# Altium PCB power-v3.6.PcbDoc (part 2 of 3)
Units mil, origin at the board's own origin, x right, y up, seen from the top; angles counter-clockwise.
Board outline 6141.36 x 3430.84 mil, 4 copper layers (Signal 1, Ground, Power, Signal 2), stack 60.469 mil thick; 253 components, 142 nets, 643 pads, 692 vias.
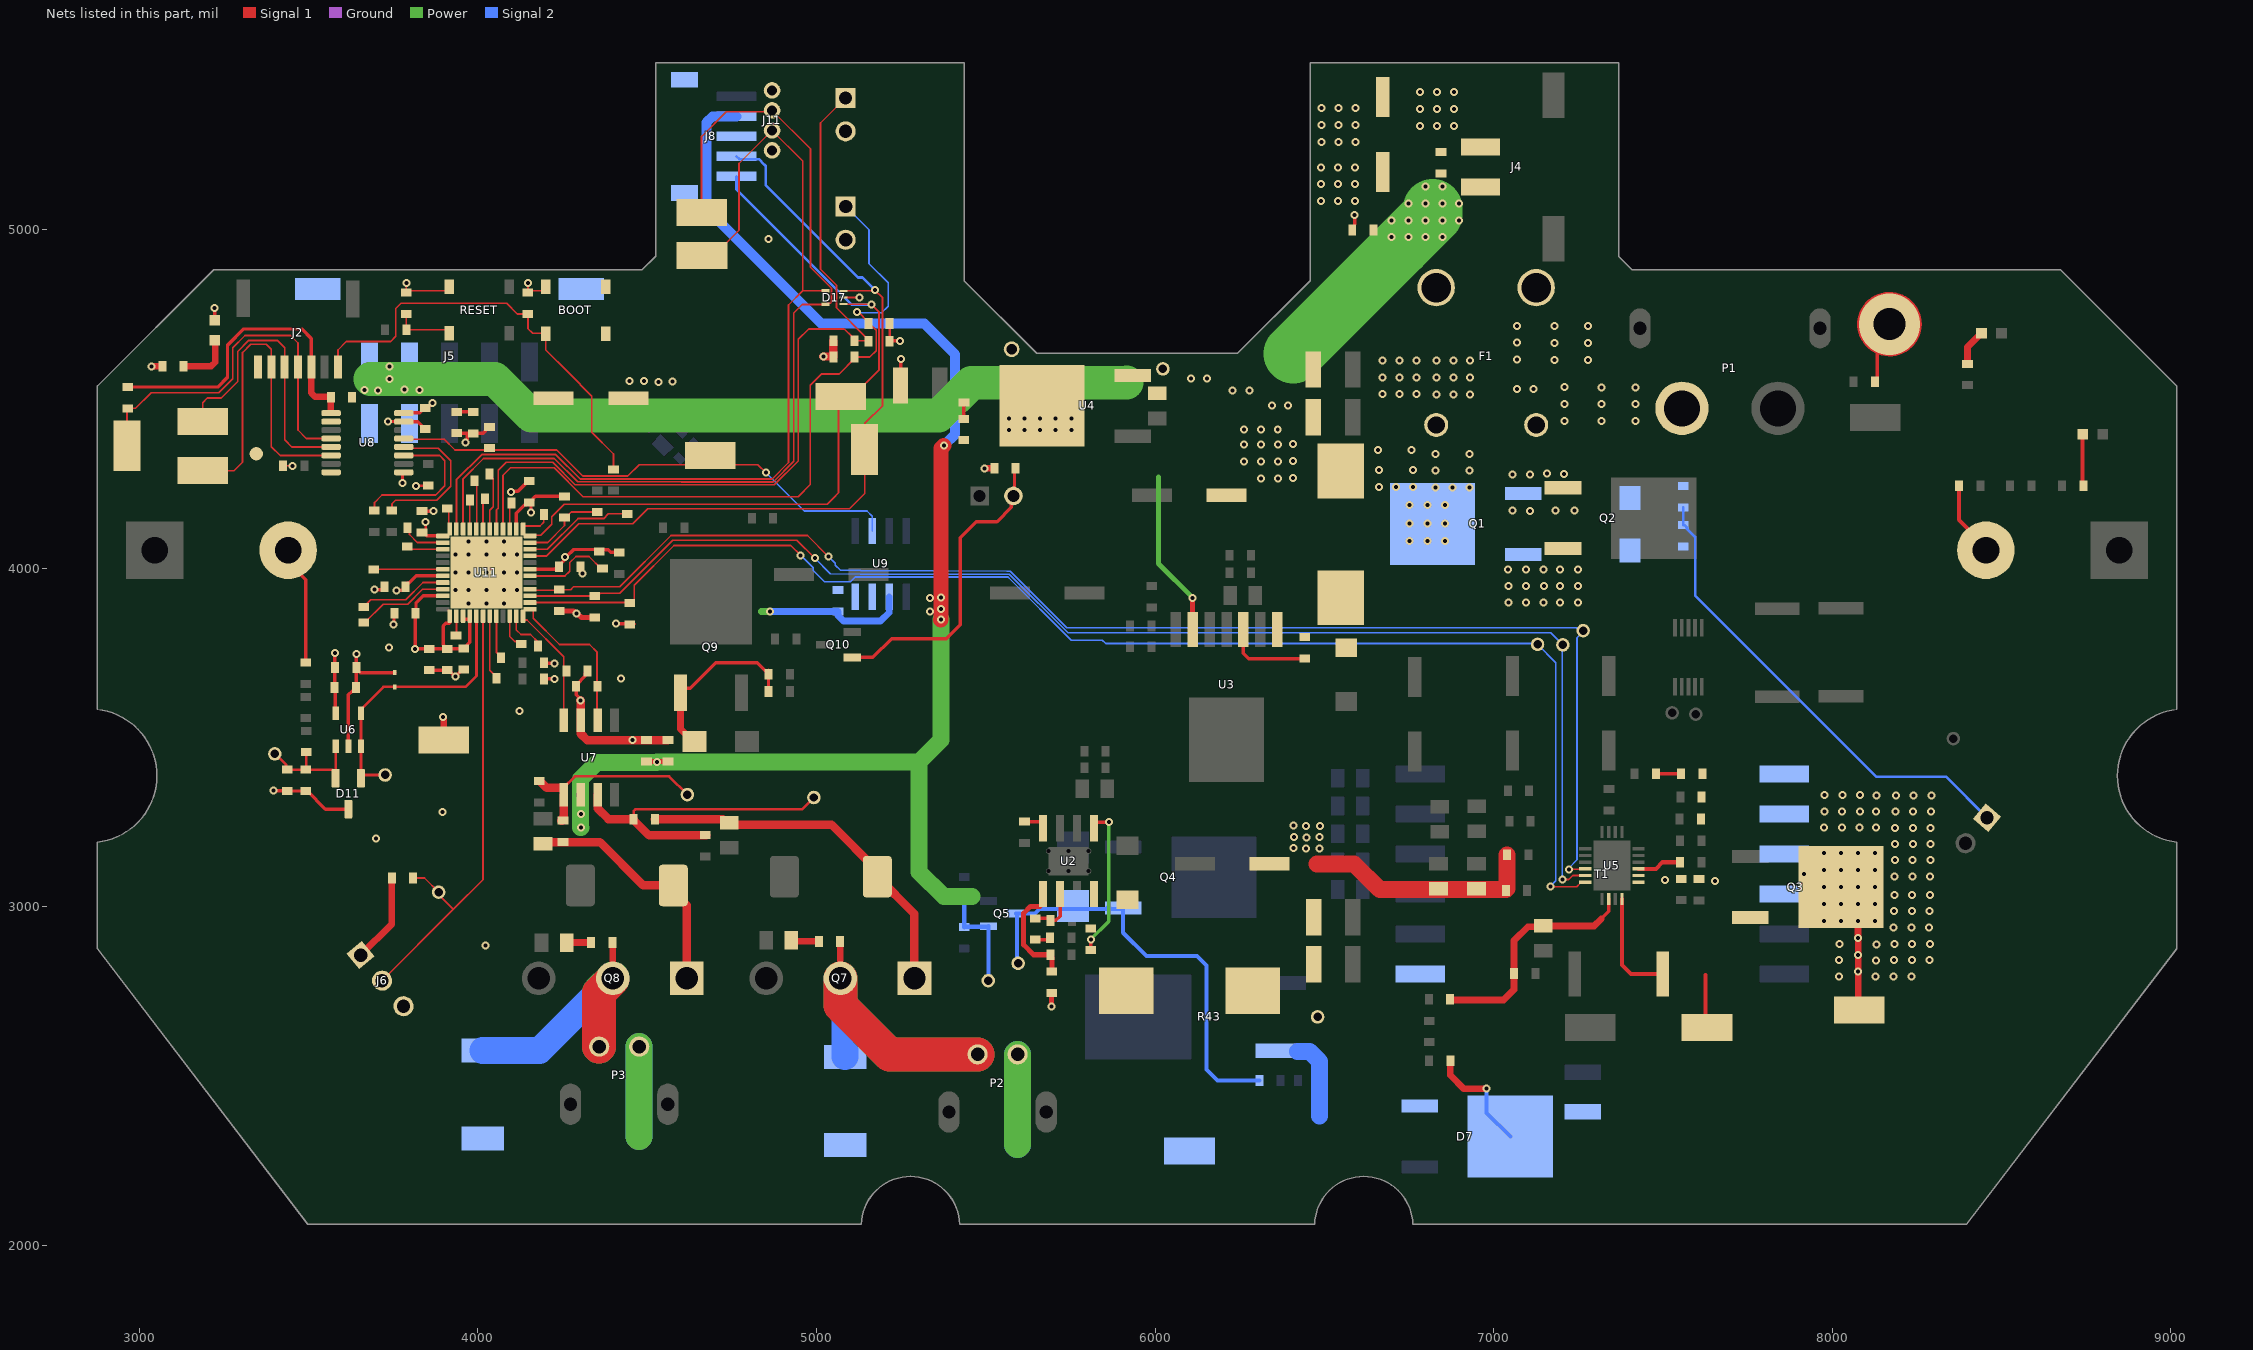
[diagram p4: the nets of this part, all layers, seen from the top]

## Part data (continued)
C8: library part "CAP 6.8pF 50V", "Default Symbol for Capacitors", Rating=50V, Temperature Coefficient=X7R, Tolerance=10%, Part Number="CAP 6.8pF 50V"
C10 C12 C68 C69: library part "CAP 22uF 25V  - 1210", "Default Symbol for Capacitors", Rating=25V, Tolerance=20%, Part Number="CAP 22uF 25V  - 1210"
C16 C34: library part "CAP 10uF 16V", "CAP CER 10UF 16V X5R 0603/0805", Operating Temperature="-55°C ~ 85°C", Package=0603/0805, Rating=16V, Temperature Coefficient=X5R, Tolerance=10%, Part Number="CAP 10uF 16V"
C18 C19 C20: library part "CAP POL 100uF SMD", "CAP ALUM 100UF 35V SMD", Operating Temperature="-40°C ~ 85°C", Package=RADIAL, Rating=35v, Temperature Coefficient=Unspecified, Tolerance=20%, ComponentLink1Description="Digikey Link", ComponentLink1URL=https://www.digikey.ca/product-detail/en/panasonic-electronic-components/ECA-1HM100I/P10425CT-ND/8603345, Dimensions="0.197\" Dia (5.00mm)", Part Number="CAP POL 100uF SMD"
C21 C30: library part "CAP 0.10uF 35V", "CAP CER 0.10UF 35V X7R 0805", Manufacturer Part Number 1=GMK107B7104KAHT, Manufacturer Part Number 2=GMK212BJ104KGHT, Operating Temperature="-55°C ~ 125°C", Package=0805, Rating=35V, Supplier Part Number 1=587-3354-1-ND, Temperature Coefficient=X7R, Tolerance=10%, Part Number="CAP 0.10uF 35V", Supplier 1=Digi-Key, Supplier 2=Digi-Key, Supplier Part Number 2=587-3364-1-ND
C22 C23: library part "CAP POL 1000uF", "United Chemi-Con / ESMQ251VSN102MQ45S", Capacitance=1mF, Dielectric Material=Aluminium, Manufacturer="United Chemi-Con", Manufacturer Part Number=ESMQ251VSN102MQ45S, Max Operating Temperature=85°C, Supplier Part Number 1=565-2754-ND, Tolerance=20%, Voltage=250V, Diameter=25.4mm, Height - Seated (Max)=45mm, Lead Diameter=2mm, Lead Pitch=10mm, Mount="Through Hole,PCB", Number of Pins=2, Part Number="CAP POL 1000uF", REACH SVHC="No SVHC", RoHS=Yes, Supplier 1=Digi-Key, Termination=Radial
C31: library part "CAP 2.2uF 35V", "CAP CER 2.2UF 35V X7R 0603/0805", Manufacturer Part Number 1=C1608X5R1V225K080AC, Manufacturer Part Number 2=CGA4J1X7R1V225K125AE, Operating Temperature="-55°C ~ 125°C", Package=0603/0805, Rating=35V, Supplier Part Number 1=445-8025-1-ND, Temperature Coefficient=X5R, Tolerance=10%, Part Number="CAP 2.2uF 35V", Supplier 1=Digi-Key, Supplier 2=Digi-Key, Supplier Part Number 2=445-8787-1-ND
C32: library part "CAP 0.10uF 630V", "CAP CER 0.1uF 630V X7R 1210", Operating Temperature="-55°C ~ 125°C", Package=1210, Rating=630V, Temperature Coefficient=X7R, Tolerance=10%, Part Number="CAP 0.10uF 630V"
C35 C40 C44 C45 C54 C55 C57: library part "CAP 0.10uF 16V", "CAP CER 0.10UF 16V X5R 0603", Operating Temperature="-55°C ~ 85°C", Package=0603/0805, Rating=16V, Temperature Coefficient=X5R, Tolerance=10%, Part Number="CAP 0.10uF 16V"
C36 C39 C60 C61 C62 C63 C64 C65 C66: library part "CAP 1.0uF 16V", "CAP CER 1.0UF 16V X5R 0603/0805", Operating Temperature="-55°C ~ 85°C", Package=0603/0805, Rating=16V, Temperature Coefficient=X5R, Tolerance=10%, Part Number="CAP 1.0uF 16V"
C37 C38: library part "CAP 0.010uF 16V", "CAP CER 0.010UF 16V X5R 0603", Operating Temperature="-55°C ~ 85°C", Package=0603/0805, Rating=16V, Temperature Coefficient=X5R, Tolerance=10%, Part Number="CAP 0.010uF 16V"
C43: library part "CAP 0.10uF 35V 0603", "CAP CER 0.10UF 35V X7R 0603", Manufacturer Part Number 1=GMK107BJ104KAHT, Operating Temperature="-55°C ~ 125°C", Package=0805, Rating=35V, Supplier Part Number 1=587-3357-1-ND, Temperature Coefficient=X5R, Tolerance=10%, Part Number="CAP 0.10uF 35V 0603", Supplier 1=Digi-Key
C46 C47 C49 C50 C51 C52 C53: library part "CAP 0.10uF 25V", "CAP CER 0.10UF 25V X7R 0603", Operating Temperature="-55°C ~ 125°C", Rating=25V, Temperature Coefficient=X7R, Tolerance=10%, Part Number="CAP 0.10uF 25V"
C58: library part "CAP 0.10uF 35V", "CAP CER 0.10UF 35V X7R 0603", Manufacturer Part Number 1=GMK107B7104KAHT, Manufacturer Part Number 2=GMK212BJ104KGHT, Operating Temperature="-55°C ~ 125°C", Package=0603/0805, Rating=35V, Supplier Part Number 1=587-3354-1-ND, Temperature Coefficient=X7R, Tolerance=10%, Part Number="CAP 0.10uF 35V", Supplier 1=Digi-Key, Supplier 2=Digi-Key, Supplier Part Number 2=587-3364-1-ND
C59: library part "CAP 4.7uF 35V", "CAP CER 4.7UF 35V X7R 0603/0805", Operating Temperature="-55°C ~ 125°C", Package=0603/0805, Rating=35V, Temperature Coefficient=X7R, Tolerance=10%, Part Number="CAP 4.7uF 35V"
C73 C74: library part "CAP 1500pF 500V - 0805", "Default Symbol for Capacitors", Rating=500V, Temperature Coefficient=X7R, Part Number="CAP 1500pF 500V - 0805"
D1 D16: library part "DIODE ZENER 12V 1W", "Zener Diode 12 V 1 W ±5% Surface Mount SMA", Mfr_Name="Diodes Inc", Supplier Part Number 1=SMAZ12-FDICT-ND, Copyright="Copyright (C) 2021 Ultra Librarian. All rights reserved.", Digi-Key_Part_Number_1=SMAZ12-FDICT-ND, Digi-Key_Part_Number_2=SMAZ12-FDIDKR-ND, Digi-Key_Part_Number_3=SMAZ12-FDITR-ND, Manufacturer Part Number 1=SMAZ12-13-F, Manufacturer_Part_Number=SMAZ12-13-F, Part Number="DIODE ZENER 12V 1W", RefDes=RefDes, Supplier 1=Digi-Key, Supplier 2=Newark, Supplier 3=Digi-Key, Supplier Part Number 2=23T8541, Supplier Part Number 3=SMAZ12-FDICT-ND, Supplier URL 1=https://www.digikey.com/en/products/detail/SMAZ12-13-F/SMAZ12-FDICT-ND/725073?curr=usd&utm_campaign=buynow&utm_medium=aggregator&utm_source=octopart, Type=DEV
D2 D4: library part "DIODE SCHOTTKY 40V 5A SS54 SMA", "SS54", Part Number="DIODE SCHOTTKY 40V 5A SS54 SMA"
D3 D5: library part "LED GREEN SMD 0603", "LED Uni-Color Green 574nm 2-Pin Chip LED T/R", Current Rating=20mA, Manufacturer Part Number 1=LTST-C190KGKT, Supplier Part Number 1=160-1435-1-ND, Voltage Rating - DC=2V, Part Number="LED GREEN SMD 0603", Pin Count=2, Supplier 1=Digi-Key, Supplier URL 1=https://www.digikey.ca/en/products/detail/lite-on-inc/LTST-C190KGKT/386815?s=N4IgTCBcDaIIwDYAMBaOAWAzAVjSgcgCIgC6AvkA
D7: "Diode Switching 600V 5A DPAK", Digikey=VS-5EWH06FN-M3-ND, Digikey Link=https://www.digikey.ca/en/products/detail/vishay-semiconductor-diodes-division/VS-5EWH06FN-M3/4934509, MF="Vishay Diodes", Part Number=VS-5EWH06FN-M3, Pin Count=2
D8: library part "LED RED SMD 0603", "0603 red led alingap 631nm-639nm water clear 18-180mcd 130d", Current Rating=20mA, Manufacturer Part Number 1=LTST-C190KRKT, Supplier Part Number 1=160-1436-1-ND, Voltage Rating - DC=2V, Part Number="LED RED SMD 0603", Pin Count=2, Supplier 1=Digi-Key, Supplier URL 1=https://www.digikey.ca/en/products/detail/lite-on-inc/LTST-C190KRKT/386817?s=N4IgTCBcDaIIwDYAMBaOAWAzAtKByAIiALoC%2BQA
D9: library part "DIODE ZENER 15V 3W", "Diode ZENER 15V 3W", Supplier Part Number 1=3SMBJ5929BTPMSCT-ND, Part Number="DIODE ZENER 15V 3W", Pin Count=2, Supplier 1=Digi-Key
D10: library part "DIODE ZENER 3.3 200mW", "Zener Diode 3.3 V 200 mW ±5% Surface Mount SOD-923", Mfr_Name="ON Semiconductor", Supplier Part Number 1=NZ9F3V3T5GOSCT-ND, Copyright="Copyright (C) 2021 Ultra Librarian. All rights reserved.", Digi-Key_Part_Number_1=NZ9F3V3T5GOSTR-ND, Digi-Key_Part_Number_2=NZ9F3V3T5GOSCT-ND, Digi-Key_Part_Number_3=NZ9F3V3T5GOSDKR-ND, Manufacturer Part Number 1=NZ9F3V3T5G, Manufacturer_Part_Number=NZ9F3V3T5G, Part Number="DIODE ZENER 3.3 200mW", RefDes=RefDes, Supplier 1=Digi-Key, Supplier URL 1=https://www.digikey.com/en/products/detail/onsemi/NZ9F3V3T5G/1961325, Type=DEV
D11: library part "DIODE TVS 3.3VR 3.5VBR", "3.3V Reverese Standoff, 3.5V Breakdown, 12.5V Clamp 40A (8/20µs) Ipp Tvs Diode SMD SOT-23", Supplier Part Number 1=353-SM3.3H-TPCT-ND, ComponentLink1Description="Octopart Link", ComponentLink1URL=https://octopart.com/search?q=SM3.3H-TP&currency=USD&specs=0, Manufacturer Part Number 1=SM3.3H-TP, Part Number="DIODE TVS 3.3VR 3.5VBR", Supplier 1=Digi-Key, Supplier URL 1=https://www.digikey.com/en/products/detail/micro-commercial-co/SM3-3H-TP/12177181
D12 D14: library part "DIODE FAST 600V 8A", "Diode Standard 600 V 8A Surface Mount SMC", Supplier Part Number 1=1740-MUR860JCT-ND, ComponentLink1Description="Octopart Link", ComponentLink1URL=https://octopart.com/search?q=MUR860J&currency=USD&specs=0, Manufacturer Part Number 1=MUR860J, Part Number="DIODE FAST 600V 8A", Supplier 1=Digi-Key, Supplier URL 1=https://www.digikey.com/en/products/detail/ween-semiconductors/MUR860J/11630078
D13 D15: library part "DIODE TVS 14VR 15.6VBR", "23.2V Clamp 64.7A Ipp Tvs Diode Surface Mount DO-214AB (SMC), VR = 14V, VBR = 15.6V", Package=None, Supplier Part Number 1=SMCJ14ALFCT-ND, Availability=Unavailable, Manufacturer Part Number 1=SMCJ14A, MP=SMCJ14A, Part Number="DIODE TVS 14VR 15.6VBR", Price=None, Supplier 1=Digi-Key, Supplier 2=Mouser, Supplier Part Number 2=652-SMCJ14A, Supplier URL 1=https://www.digikey.com/en/products/detail/littelfuse-inc/SMCJ14A/762380
D17: library part "DIODE TVS 3.5 VWM 4 Channel", "- Clamp - Ipp Tvs Diode Surface Mount ESV 4 Channel", Manufacturer Part Number 1=DF5A5.6CJE,LM, Manufacturer_Part_Number=df5a5.6cje(te85l, Mfr_Name="Toshiba Electronic Devices & Storage Co.", Supplier Part Number 1=DF5A5.6CJE,LMCT-ND, Copyright="Copyright (C) 2021 Ultra Librarian. All rights reserved.", Digi-Key_Part_Number_1=DF5A5.6CJE(TE85LF)TR-ND, Digi-Key_Part_Number_2=DF5A5.6CJE(TE85LF)CT-ND, Digi-Key_Part_Number_3=DF5A5.6CJE(TE85LF)DKR-ND, Part Number="DIODE TVS 3.5 VWM 4 Channel", RefDes=RefDes, Supplier 1=Digi-Key, Supplier URL 1=https://www.digikey.com/en/products/detail/toshiba-semiconductor-and-storage/DF5A5-6CJE-LM/4305072, Type=DEV
F1: library part "FUSE BLADE", "Fuse Block 30A 500V 1 Circuit Blade Through Hole", Package="Nonstandard Keystone", Supplier Part Number 1=36-3557-2-ND, MF="Keystone Electronics", MP=3557-2, Part Number="FUSE BLADE", Pin Count=4, Price=None, SnapEDA_Link=https://www.snapeda.com/parts/3557-2/Keystone%20Electronics/view-part/278060/?ref=snap, Supplier 1=Digi-Key
J1 J9 J10: "Connector Header Through Hole 2 position right angle 0.098 _2.50mm_ / JST XH", Package=None, MF="JST Sales", MP=B2B-XH-A_LF__SN_, Part Number="CN HDR 2POS JST XH RA", Pin Count=2, Price=None, SnapEDA_Link=https://www.snapeda.com/parts/B2B-XH-A%28LF%29%28SN%29/JST%20Sales%20America%20Inc./view-part/492310/?ref=snap
J2: library part "CN 7POS JST NSH SMT RA", "Connector Header Surface Mount, Right Angle 7 position 0.039\" (1.00mm)", Package=None, Supplier Part Number 1=455-2771-1-ND, Availability=Unavailable, Check_prices=https://www.snapeda.com/parts/SM12B-NSHSS-TB%20(LF)(SN)/JST%20Sales%20America%20Inc./view-part/5255521/?ref=eda, MF="JST Sales America Inc.", MP="SM12B-NSHSS-TB (LF)(SN)", Part Number="CN 7POS JST NSH SMT RA", Pin Count=7, Price=None, SnapEDA_Link=https://www.snapeda.com/parts/SM12B-NSHSS-TB%20(LF)(SN)/JST%20Sales%20America%20Inc./view-part/5255521/?ref=snap, Supplier 1=Digi-Key, Supplier 2=Digi-Key, Supplier 3=Digi-Key, Supplier 4=Digi-Key, Supplier Part Number 2=455-2771-1-ND, Supplier Part Number 3=455-2771-6-ND, Supplier Part Number 4=455-2771-2-ND, Supplier URL 1=https://www.digikey.ca/en/products/detail/jst-sales-america-inc/SM07B-NSHSS-TB-LF-SN/3313637
J4: library part "CN HDR 2POS Molex 0436500214", "Connector Header Surface Mount, Right Angle 2 position 0.118\" (3.00mm)", Manufacturer_Name=Molex, Manufacturer_Part_Number=43650-0214, Supplier Part Number 1=WM14310CT-ND, Datasheet Link=http://www.molex.com/webdocs/datasheets/pdf/en-us//0436500214_PCB_HEADERS.pdf, Manufacturer Part Number 1=0436500214, Part Number="CN HDR 2POS Molex 0436500214", Supplier 1=Digi-Key, Supplier 2=Newark, Supplier 3="Arrow Electronics", Supplier 4=Mouser, Supplier Part Number 2=39AH6218, Supplier Part Number 3=43650-0214, Supplier Part Number 4=538-43650-0214, Supplier URL 1=https://www.digikey.com/en/products/detail/molex/0436500214/3310534
J5: library part "CN HDR 10POS MOLEX 430451010", "Connector Header Surface Mount, Right Angle 10 position 0.118\" (3.00mm)", Mfr_Name="Molex Connector Corporation", Supplier Part Number 1=WM3819CT-ND, Copyright="Copyright (C) 2021 Ultra Librarian. All rights reserved.", Digi-Key_Part_Number_1=WM3819TR-ND, Digi-Key_Part_Number_2=WM3819CT-ND, Digi-Key_Part_Number_3=WM3819DKR-ND, Manufacturer Part Number 1=430451010, Manufacturer_Part_Number=430451010, Part Number="CN HDR 10POS MOLEX 430451010", RefDes=RefDes, Supplier 1=Digi-Key, Supplier 2=Newark, Supplier 3=Mouser, Supplier Part Number 2=03AH4054, Supplier Part Number 3=538-43045-1010, Supplier URL 1=https://www.digikey.com/en/products/detail/molex/0430451010/2421710?s=N4IgTCBcDaICwGYAMcCsBGJmQF0C%2BQA, Type=DEV
J6: library part "CN HDR 3POS JST XH RA", "Connector Header Through Hole Right Angle 3 position 0.098 (2.50mm)", Manufacturer Part Number 1=S3B-XH-A-1(LF)(SN), Package=None, Supplier Part Number 1=455-2954-ND, Availability="In Stock", Check_prices=https://www.snapeda.com/parts/B3B-XH-A(LF)(SN)/JST%20Sales%20America%20Inc./view-part/231271/?ref=eda, MF="JST Sales", MP=B3B-XH-A(LF)(SN), Part Number="CN HDR 3POS JST XH RA", Pin Count=3, Price=None, SnapEDA_Link=https://www.snapeda.com/parts/B3B-XH-A(LF)(SN)/JST%20Sales%20America%20Inc./view-part/231271/?ref=snap, Supplier 1=Digi-Key, Supplier URL 1=https://www.digikey.ca/en/products/detail/jst-sales-america-inc/S3B-XH-A-1-LF-SN/1556255
J8: library part "CN 5POS JST ZR RA", "Connector Header Surface Mount, Right Angle 5 position 0.059\" (1.50mm)", Manufacturer Part Number 1=S5B-ZR-SM4A-TF, Supplier Part Number 1=455-1696-1-ND, Part Number="CN 5POS JST ZR RA", Pin Count=5, Supplier 1=Digi-Key, Supplier URL 1=https://www.digikey.ca/en/products/detail/jst-sales-america-inc/S5B-ZR-SM4A-TF-LF-SN/926603?s=N4IgTCBcDaICwFYEFoCMA2AnOtyByAIiALoC%2BQA
J11: library part "CN HDR 4POS JST ZR", "Connector Header Through Hole, Right Angle 4 position 0.059\" (1.50mm)", Mfr_Name=JST, Supplier Part Number 1=455-1671-ND, Copyright="Copyright (C) 2021 Ultra Librarian. All rights reserved.", Digi-Key_Part_Number_1=455-1671-ND, Manufacturer Part Number 1=S4B-ZR(LF)(SN), Manufacturer_Part_Number=S4B-ZR(LF)(SN), Part Number="CN HDR 4POS JST ZR", RefDes=RefDes, Supplier 1=Digi-Key, Supplier URL 1=https://www.digikey.com/en/products/detail/jst-sales-america-inc/S4B-ZR-LF-SN/926578, Type=DEV
J13: "2 Pin Jumper Male Pins and Cap", Package=None, Supplier Part Number 1=A105225-ND, Availability=Unavailable, ComponentLink1Description=JumperPins, ComponentLink1URL=https://www.digikey.ca/en/products/detail/te-connectivity-amp-connectors/5-146252-1/2275768#, ComponentLink2Description=JumperCap, ComponentLink2URL=https://www.digikey.ca/en/products/detail/samtec-inc/SNT-100-BK-G/1756763, Manufacturer Part Number 1=5-146252-1, MP=5-146252-1, Part Number=5-146252-1, Price=None, Supplier 1=Digi-Key, Supplier URL 1=https://www.digikey.com/en/products/detail/te-connectivity-amp-connectors/5-146252-1/2275768
JGND: library part TP_1MM, Part Number=TP_1MM
L1: library part "IND 22UH 4.5A 1040/1045", "Standard inductor symbol", Part Number="IND 22UH 4.5A 1040/1045"
L2: library part "IND 10UH 6.8A 1040/1045", "Standard inductor symbol", Part Number="IND 10UH 6.8A 1040/1045"
P1: library part "XT60 Connector", "XT60 CONNECTORS FEMALE PAIR", Supplier Part Number 1=1568-1816-ND, Digikey=1568-1816-ND, Digikey Link=https://www.digikey.ca/product-detail/en/sparkfun-electronics/PRT-10474/1568-1816-ND/8258064, MF="SparkFun Electronics", MP=PRT-10474, Package=XT60, Part Number="XT60 Connector", Pin Count=2, Price="2.13000 CAD", Supplier 1=Digi-Key, Supplier URL 1=https://www.digikey.ca/product-detail/en/sparkfun-electronics/PRT-10474/1568-1816-ND/8258064
P2 P3: library part "CN MOLEX 4365002XX", "MOLEX MICROFIT 2CKT RIGHT THRU", Package=Microfit, Digikey=WM17581-ND, Digikey Link=https://www.digikey.com/en/products/detail/molex/0436500205/3310532?s=N4IgTCBcDaICwGYBsBWADGsaUgLoF8g, MF=MOLEX, MP=4365002XX, Part Number="CN MOLEX 4365002XX", Pin Count=2, Price="1.44 CAD", Supplier 1=Digi-Key, Supplier URL 1=https://www.digikey.com/en/products/detail/molex/0436500205/3310532?s=N4IgTCBcDaICwGYBsBWADGsaUgLoF8g
Q1 Q2 Q9: library part "MOSFET IPD85P04P4-07", "P-Channel 40 V 85A (Tc) 88W (Tc) Surface Mount PG-TO252-3-313", Supplier Part Number 1=448-IPD85P04P407ATMA1CT-ND, Part Number="MOSFET IPD85P04P4-07", Supplier 1=Digi-Key, Supplier 2=Mouser, Supplier 3=Digi-Key, Supplier Part Number 2=726-IPD85P04P4-07, Supplier Part Number 3=448-IPD85P04P407ATMA1CT-ND, Supplier URL 1=https://www.digikey.ca/en/products/detail/infineon-technologies/IPD85P04P407ATMA1/5960266
Q3: library part "MOSFET N-CH IXFY36N20X3", "N-Channel 200 V 36A (Tc) 176W (Tc) Surface Mount TO-252AA", Supplier Part Number 1=IXFY36N20X3-ND, Manufacturer Part Number 1=IXFY36N20X3, Part Number="MOSFET N-CH IXFY36N20X3", Supplier 1=Digi-Key, Supplier URL 1=https://www.digikey.com/en/products/detail/ixys/IXFY36N20X3/7902311
Q5 Q10: library part "MOSFET N-CH TN2130K1-G", "N-Channel 300 V 85mA (Tj) 360mW (Tc) Surface Mount TO-236AB (SOT23)", Mfr_Name=Microchip, Supplier Part Number 1=TN2130K1-GCT-ND, Copyright="Copyright (C) 2021 Ultra Librarian. All rights reserved.", Digi-Key_Part_Number_1=TN2130K1-GCT-ND, Digi-Key_Part_Number_2=TN2130K1-GDKR-ND, Digi-Key_Part_Number_3=TN2130K1-GTR-ND, Manufacturer Part Number 1=TN2130K1-G, Manufacturer_Part_Number=TN2130K1-G, Part Number="MOSFET N-CH TN2130K1-G", RefDes=RefDes, Supplier 1=Digi-Key, Supplier URL 1=https://www.digikey.com/en/products/detail/microchip-technology/TN2130K1-G/4902939, Type=DEV
Q7 Q8: "IGBT Field Stop 600V 150A 750W Through Hole PowerTO-247-3", Package="TO-247 Fairchild Semiconductor", Supplier Part Number 1=FGY75N60SMDFS-ND, MF="ON Semiconductor", MP=FGY75N60SMD, Part Number=FGY75N60SMD, Supplier 1=Digi-Key
R1 R2 R26 R28 R31 R33 R46: library part "RES 100k 1/8W - 1%", "RES SMD 100K OHM 1% 1/8W 0603", Manufacturer Part Number 1=ERJ-H3GJ104V, Package=0805, Power (Watts)=0.125W, Supplier Part Number 1=10-ERJ-H3GJ104VCT-ND, Tolerance=1%, Part Number="RES 100k 1/8W - 1%", Supplier 1=Digi-Key, Supplier URL 1=https://www.digikey.ca/en/products/detail/panasonic-electronic-components/ERJ-H3GJ104V/13877854?s=N4IgTCBcDaIIwAYC0BRASgKSQCQMwHENEAWANQGEAVJAOQBEQBdAXyA
R3 R42 R44: library part "RES 5.1M 1/8W-5%", "RES SMD 5.1 MOHM 5% 1/8W 0603", Package=0805, Power (Watts)=0.125W, Tolerance=5%, Part Number="RES 5.1M 1/8W-5%"
R4: library part "RES 0 JUMPER", "RES SMD 0 OHM JUMPER GENERIC 0603", Package=0805, Tolerance=N/A, Part Number="RES 0 JUMPER"
R5 R6 R16 R17 R69 R72 R73 R74: library part "RES 4.7k 1/8W - 5%", "RES SMD 4.7k OHM 5% 1/8W 0603", Manufacturer Part Number 1=RMCF0603JT4K70, Package=0805, Power (Watts)=0.125W, Supplier Part Number 1=RMCF0603JT4K70CT-ND, Tolerance=5%, Part Number="RES 4.7k 1/8W - 5%", Supplier 1=Digi-Key, Supplier URL 1=https://www.digikey.ca/en/products/detail/stackpole-electronics-inc/RMCF0603JT4K70/1757976
R7 R8: library part "RES 2m 1W", "RES SMD 2m OHM 1% 1W 2512", Package=1206, Power (Watts)=1W, Tolerance=1%, Part Number="RES 2m 1W"
R9: library part "RES 14k 1/8W", "Default Resistor Symbol", Package=0805, Power (Watts)=0.125W, Tolerance=5%, Part Number="RES 14k 1/8W"
R10 R59 R60: library part "RES 1k 1/8W", "RES SMD 1K OHM 1% 1/8W 0603", Manufacturer Part Number 1=MCT06030C1001FP500, Package=0805, Power (Watts)=0.125W, Supplier Part Number 1=MCT0603-1.00K-CFCT-ND, Tolerance=1%, Part Number="RES 1k 1/8W", Supplier 1=Digi-Key, Supplier URL 1=https://www.digikey.ca/en/products/detail/vishay-beyschlag-draloric-bc-components/MCT06030C1001FP500/2607821?s=N4IgTCBcDaILIGEAqAGAbCgzAWgIwDoUUBpbBAMWWwDkAREAXQF8g
R11 R13: library part "RES 75k 1/8W", "Default Resistor Symbol", Package=0805, Power (Watts)=0.125W, Tolerance=5%, Part Number="RES 75k 1/8W"
R12: library part "RES 470k 1/8W", "Default Resistor Symbol", Package=0805, Power (Watts)=0.125W, Tolerance=5%, Part Number="RES 470k 1/8W"
R14 R25 R27 R29 R34 R35 R56: library part "RES 100k 1/8W - 5%", "RES SMD 100K OHM 5% 1/8W 0603", Package=0805, Power (Watts)=0.125W, Tolerance=5%, Part Number="RES 100k 1/8W - 5%"
R15: library part "RES 1.0 1/8W", "Default Resistor Symbol", Package=0805, Power (Watts)=0.125W, Tolerance=5%, Part Number="RES 1.0 1/8W"
R18 R36 R57 R61 R70: library part "RES 10k 1/8W - 5%", "RES SMD 10K OHM 5% 1/8W 0603", Package=0805, Power (Watts)=0.125W, Tolerance=5%, Part Number="RES 10k 1/8W - 5%"
R19 R51 R53: library part "RES 110.0 1/8W - 1%", "RES SMD 110 OHM 1% 1/8W 0603", Manufacturer Part Number 1=RMCF0603FT110R, Package=0603, Power (Watts)=0.125W, Supplier Part Number 1=RMCF0603FT110RCT-ND, Tolerance=1%, Part Number="RES 110.0 1/8W - 1%", Supplier 1=Digi-Key, Supplier URL 1=https://www.digikey.ca/en/products/detail/stackpole-electronics-inc/RMCF0603FT110R/1761268
R20: library part "RES 1.96k 1/8W", "RES SMD 1.96K OHM 1% 1/8W 0603", Manufacturer Part Number 1=RC0603FR-071K96L, Package=0805, Power (Watts)=0.125W, Supplier Part Number 1=311-1.96KHRCT-ND, Tolerance=1%, Part Number="RES 1.96k 1/8W", Supplier 1=Digi-Key, Supplier URL 1=https://www.digikey.ca/en/products/detail/yageo/RC0603FR-071K96L/726878
R21: library part "RES 174k 1/8W", "RES SMD 174K OHM 1% 1/8W 0603", Manufacturer=Yageo, Manufacturer Part Number=RC0805FR-07174KL, Max Operating Temperature=155°C, Temperature Coefficient=100ppm/°C, Tolerance=1%, Voltage Rating=150V, Category="Chip SMD Resistors", ComponentLink1Description=https://datasheet.ciiva.com/2509/pyu-r-int-thick-7-2509472.pdf?src-supplier=Digi-Key, ComponentLink1URL=https://datasheet.ciiva.com/2509/pyu-r-int-thick-7-2509472.pdf?src-supplier=Digi-Key, ComponentLink2Description=https://datasheet.ciiva.com/2509/pyu-r-int-thick-7-2509471.pdf?src-supplier=Digi-Key, ComponentLink2URL=https://datasheet.ciiva.com/2509/pyu-r-int-thick-7-2509471.pdf?src-supplier=Digi-Key, ComponentLink3Description=https://datasheet.ciiva.com/2509/pyu-r-int-thick-7-2509473.pdf?src-supplier=Digi-Key, ComponentLink3URL=https://datasheet.ciiva.com/2509/pyu-r-int-thick-7-2509473.pdf?src-supplier=Digi-Key, Depth=1.25mm, Height=0.024inch, Length=2mm, Part Number="RES 174k 1/8W", RoHS=Yes, Termination=SMD/SMT, Voltage Rating (DC)=150V, Width=0.049inch
R22: library part "RES 255k 1/8W - 1%", "RES 255k 1/8W - 1% 0603", Part Number="RES 255k 1/8W - 1%"
R23 R47 R48 R49: library part "RES 330k 1/8W - 1%", "RES SMD 274K OHM 1% 1/8W 0603", Part Number="RES 330k 1/8W - 1%"
R24: library part "RES 495k 1/8W", "RES SMD 495K OHM 1% 1/8W 0603", Manufacturer=Yageo, Manufacturer Part Number=RC0805FR-07499KL, Max Operating Temperature=155°C, Temperature Coefficient=100ppm/°C, Tolerance=1%, Voltage Rating=150V, Category="Chip SMD Resistors", ComponentLink1Description=https://datasheet.ciiva.com/15189/getdatasheetpartid-326570-15189975.pdf?src-supplier=Verical, ComponentLink1URL=https://datasheet.ciiva.com/15189/getdatasheetpartid-326570-15189975.pdf?src-supplier=Verical, Depth=1.25mm, Length=2mm, Part Number="RES 495k 1/8W", RoHS=Yes, Termination=SMD/SMT, Voltage Rating (DC)=150V
R30 R37: library part "RES 25.5k 1/8W", "RES SMD 25.5K OHM 0.1% 1/8W 0603", Manufacturer=Panasonic, Manufacturer Part Number=ERA-6AEB2552V, Max Operating Temperature=155°C, Temperature Coefficient=25ppm/°C, Tolerance=0.1%, Voltage Rating=100V, Category="Chip SMD Resistors", ComponentLink1Description=https://datasheet.ciiva.com/11810/0900766b80eb1d8c-11810651.pdf?src-supplier=RSComponents, ComponentLink1URL=https://datasheet.ciiva.com/11810/0900766b80eb1d8c-11810651.pdf?src-supplier=RSComponents, ComponentLink2Description=https://datasheet.ciiva.com/26335/459526-da-01-en-widerstand-0805-era-26335831.pdf?src-supplier=Conrad, ComponentLink2URL=https://datasheet.ciiva.com/26335/459526-da-01-en-widerstand-0805-era-26335831.pdf?src-supplier=Conrad, ComponentLink3Description=https://datasheet.ciiva.com/7870/485442-7870651.pdf?src-supplier=Element14, ComponentLink3URL=https://datasheet.ciiva.com/7870/485442-7870651.pdf?src-supplier=Element14, ComponentLink4Description=https://datasheet.ciiva.com/5987/485442-5987308.pdf?src-supplier=Farnell, ComponentLink4URL=https://datasheet.ciiva.com/5987/485442-5987308.pdf?src-supplier=Farnell, ComponentLink5Description=https://datasheet.ciiva.com/7870/485442-7870652.pdf?src-supplier=Element14, ComponentLink5URL=https://datasheet.ciiva.com/7870/485442-7870652.pdf?src-supplier=Element14, ComponentLink6Description=https://datasheet.ciiva.com/30151/54aoa0000ce26-30151583.pdf?src-supplier=Onlinecomponents.com, ComponentLink6URL=https://datasheet.ciiva.com/30151/54aoa0000ce26-30151583.pdf?src-supplier=Onlinecomponents.com, Depth=1.25mm, Height=0.5mm, Length=2mm, Mount="Surface Mount", Number of Pins=2, Part Number="RES 25.5k 1/8W", RoHS=Yes, Termination=Solder, Voltage Rating (DC)=100V, Width=1.25mm
R32: library part "RES 11.5k 1/8W", "RES SMD 11.5K OHM 0.1% 1/8W 0603 Thin Film", Manufacturer=Panasonic, Manufacturer Part Number=ERA-6AEB1152V, Max Operating Temperature=155°C, Supplier Part Number 1=P11.5KDACT-ND, Temperature Coefficient=25ppm/°C, Tolerance=0.1%, Voltage Rating=100V, Category="Chip SMD Resistors", ComponentLink1Description=https://datasheet.ciiva.com/11810/0900766b80eb1d8c-11810868.pdf?src-supplier=RSComponents, ComponentLink1URL=https://datasheet.ciiva.com/11810/0900766b80eb1d8c-11810868.pdf?src-supplier=RSComponents, ComponentLink2Description=https://datasheet.ciiva.com/41450/001181306-da-01-en-widerstand-era-0805-11k5-0-1-5000st-41450464.pdf?src-supplier=Conrad, ComponentLink2URL=https://datasheet.ciiva.com/41450/001181306-da-01-en-widerstand-era-0805-11k5-0-1-5000st-41450464.pdf?src-supplier=Conrad, ComponentLink3Description=https://datasheet.ciiva.com/5987/485442-5987301.pdf?src-supplier=Farnell, ComponentLink3URL=https://datasheet.ciiva.com/5987/485442-5987301.pdf?src-supplier=Farnell, ComponentLink4Description=https://datasheet.ciiva.com/7829/485442-7829142.pdf?src-supplier=Element14, ComponentLink4URL=https://datasheet.ciiva.com/7829/485442-7829142.pdf?src-supplier=Element14, ComponentLink5Description=https://datasheet.ciiva.com/17211/aoa0000ce26-17211855.pdf?src-supplier=Avnet+Europe, ComponentLink5URL=https://datasheet.ciiva.com/17211/aoa0000ce26-17211855.pdf?src-supplier=Avnet+Europe, ComponentLink6Description=https://datasheet.ciiva.com/7829/485442-7829143.pdf?src-supplier=Element14, ComponentLink6URL=https://datasheet.ciiva.com/7829/485442-7829143.pdf?src-supplier=Element14, Depth=1.25mm, Height=0.5mm, Length=2mm, Mount="Surface Mount", Number of Pins=2, Part Number="RES 11.5k 1/8W", RoHS=Yes, Supplier 1=Digi-Key, Termination=Solder, Voltage Rating (DC)=100V, Width=1.25mm
R38 R39 R63 R64: library part "RES 0 JUMPER", "RES SMD 0 OHM JUMPER GENERIC 0603", Manufacturer Part Number 1=RK73Z1JTTD, Package=0805, Supplier Part Number 1=2019-RK73Z1JTTDCT-ND, Tolerance=N/A, Part Number="RES 0 JUMPER", Supplier 1=Digi-Key, Supplier URL 1=https://www.digikey.ca/en/products/detail/koa-speer-electronics-inc/RK73Z1JTTD/9845478
R40: library part "RES 7m 3W", "RES SMD 7m OHM 1% 3W 2512", Package=1206, Power (Watts)=3W, Supplier Part Number 1=541-10361-1-ND, Tolerance=1%, ComponentLink1Description="Digikey Link", ComponentLink1URL=https://www.digikey.com/en/products/detail/vishay-dale/WFMB2512R0500FEA/9972278, Digikey=541-10282-1-ND, MFG=VISHAY, Part Number="RES 7m 3W", Supplier 1=Digi-Key
R41: library part "RES 1.05k 1/8W", "RES SMD 1.05K OHM 0.1% 1/8W 0603", Package=0805, Tolerance=0.1%, Part Number="RES 1.05k 1/8W"
R43: library part "RES 1.5k 50W", "RES SMD 1.5K OHM 1% 50W D2PAK", Package="D2PAK (TO-263)", Power (Watts)=50W, Tolerance=1%, Part Number="RES 1.5k 50W"
R45: library part "RES 270k 1/8W", "RES SMD 270K OHM 5% 1/8W 0603", Package=0805, Power (Watts)=0.125W, Tolerance=5%, Part Number="RES 270k 1/8W"
R50: library part "RES 13k 1/8W", "RES SMD 13K OHM 5% 1/8W 0603", Package=0805, Power (Watts)=0.125W, Tolerance=5%, Part Number="RES 13k 1/8W"
R52 R54: library part "RES 10k 1/8W - 1%", "RES SMD 10K OHM 1% 1/8W 0603", Manufacturer Part Number 1=ERJ-H3GJ103V, Manufacturer Part Number 2=RMCF0805JT10K0, Package=0805, Power (Watts)=0.125W, Supplier Part Number 1=10-ERJ-H3GJ103VCT-ND, Tolerance=5%, Part Number="RES 10k 1/8W - 1%", Supplier 1=Digi-Key, Supplier 2=Digi-Key, Supplier Part Number 2=RMCF0805JT10K0CT-ND, Supplier URL 1=https://www.digikey.ca/en/products/detail/panasonic-electronic-components/ERJ-H3GJ103V/13877876?s=N4IgTCBcDaIIwAYC0BRASgKSQCQMwHENFcA1AYQBUkA5AERAF0BfIA, Supplier URL 2=https://www.digikey.ca/en/products/detail/stackpole-electronics-inc/RMCF0805JT10K0/1757762?s=N4IgTCBcDaIEoFkDCAxADADjQVgFIBUBGNAaTSXxAF0BfIA, Tolerance 2=5%
R55 R71: library part "RES 47k 1/8W - 5%", "RES SMD 47k OHM 5% 1/8W 0603", Package=0805, Power (Watts)=0.125W, Tolerance=5%, Part Number="RES 47k 1/8W - 5%"
R58 R62: library part "RES 2.0 1/8W", "Default Resistor Symbol", Package=0805, Power (Watts)=0.125W, Tolerance=5%, Part Number="RES 2.0 1/8W"
R65: library part "RES 4.7k 1/8W - 5%", "Default Resistor Symbol", Manufacturer Part Number 1=RMCF0603JT4K70, Package=0805, Power (Watts)=0.125W, Supplier Part Number 1=RMCF0603JT4K70CT-ND, Tolerance=5%, Part Number="RES 4.7k 1/8W - 5%", Supplier 1=Digi-Key, Supplier URL 1=https://www.digikey.ca/en/products/detail/stackpole-electronics-inc/RMCF0603JT4K70/1757976
R66 R67: library part "RES 200.0 1/8W", "RES SMD 200 OHM 5% 1/8W 0603", Package=0603, Power (Watts)=0.125W, Tolerance=5%, Part Number="RES 200.0 1/8W"
R68: library part "RES 1k 1/8W", "Default Resistor Symbol", Manufacturer Part Number 1=MCT06030C1001FP500, Package=0805, Power (Watts)=0.125W, Supplier Part Number 1=MCT0603-1.00K-CFCT-ND, Tolerance=1%, Part Number="RES 1k 1/8W", Supplier 1=Digi-Key, Supplier URL 1=https://www.digikey.ca/en/products/detail/vishay-beyschlag-draloric-bc-components/MCT06030C1001FP500/2607821?s=N4IgTCBcDaILIGEAqAGAbCgzAWgIwDoUUBpbBAMWWwDkAREAXQF8g
R75: library part "RES 1.54k 1_8W - 1%", "RES SMD 1.54k OHM 1% 1/8W 0603", Manufacturer Part Number 1=ERJ-3EKF1541V, Package=0603, Power (Watts)=0.125W, Supplier Part Number 1=P1.54KHDKR-ND, Tolerance=1%, Part Number="RES 1.54k 1_8W - 1%", Supplier 1=Digi-Key, Supplier URL 1=https://www.digikey.com/en/products/detail/ERJ-3EKF1541V/P1.54KHDKR-ND/576008?curr=usd&utm_campaign=buynow&utm_medium=aggregator&utm_source=octopart
T1: "Audio Transformers / Signal Transformers DA2032 Cap Chrgr For Linear LT3750/51", Supplier Part Number 1=994-DA2034-ALB, Part Number=DA2034, Supplier 1=Mouser
U1: library part ltc4151ims#pbf, "IC CURRENT MONITOR(12BIT) 10MSOP", Mfr_Name="Analog Devices / Linear Technology", Supplier Part Number 1=LTC4151IMS#PBF-ND, Copyright="Copyright (C) 2021 Ultra Librarian. All rights reserved.", Digi-Key_Part_Number_1=LTC4151IMS#PBF-ND, Manufacturer Part Number 1=ltc4151ims#pbf, Manufacturer_Part_Number=ltc4151ims#pbf, Part Number=ltc4151ims#pbf, RefDes=RefDes, Supplier 1=Digi-key, Supplier URL 1=https://www.digikey.ca/en/products/detail/analog-devices-inc/LTC4151IMS-PBF/1814473?s=N4IgTCBcDaIDIBUDCAWAjAVjQSQLIGUBiABQCEAxEAXQF8g, Type=DEV
U4: "Linear Voltage Regulator IC Positive Fixed 1 Output 1A DPAK", Supplier Part Number 1=NCP1117DT33T5GOSCT-ND, Manufacturer Part Number 1=NCP1117DT33T5G, Part Number=NCP1117DT33T5G, Supplier 1=Digi-Key, Supplier URL 1=https://www.digikey.ca/en/products/detail/onsemi/NCP1117DT33T5G/921285
U5: "IC CTRLR CAP CHRGR 4.75V 20-QFN", Manufacturer_Part_Number=lt3751iufd#pbf, Mfr_Name="Analog Devices / Linear Technology", Supplier Part Number 1=LT3751IUFD#PBF-ND, Copyright="Copyright (C) 2021 Ultra Librarian. All rights reserved.", Digi-Key_Part_Number_1=LT3751IUFD#PBF-ND, Manufacturer Part Number 1=LT3751IUFD#PBF, Part Number=LT3751IUFD#PBF, RefDes=RefDes, Supplier 1=Digi-key, Supplier 2="Arrow Electronics", Supplier 3=Mouser, Supplier Part Number 2=LT3751IUFD#PBF, Supplier URL 1=https://www.digikey.com/en/products/detail/analog-devices-inc/LT3751IUFD-PBF/2002312, Type=DEV
U6: library part "OP AMP MCP6231UT-E_OT", Mfr_Name=Microchip, Supplier Part Number 1=MCP6231UT-E/OTCT-ND, Copyright="Copyright (C) 2021 Ultra Librarian. All rights reserved.", Digi-Key_Part_Number_1=MCP6231UT-E/OTCT-ND, Digi-Key_Part_Number_2=MCP6231UT-E/OTDKR-ND, Digi-Key_Part_Number_3=MCP6231UT-E/OTTR-ND, Manufacturer Part Number 1=MCP6231UT-E/OT, Manufacturer_Part_Number=MCP6231UT-E/OT, Part Number="OP AMP MCP6231UT-E_OT", RefDes=RefDes, Supplier 1=Digi-key, Supplier URL 1=https://www.digikey.ca/en/products/detail/microchip-technology/MCP6231UT-E-OT/716023, Type=DEV
U7: library part MCP14A0454T-E_SN, "IC GATE DRVR LOW-SIDE 8SOIC", Supplier Part Number 1=MCP14A0454T-E/SNCT-ND, Manufacturer Part Number 1=MCP14A0454T-E/SN, Part Number=MCP14A0454T-E_SN, Supplier 1=Digi-key, Supplier URL 1=https://www.digikey.com/en/products/detail/microchip-technology/MCP14A0454T-E-SN/8639009?s=N4IgTCBcDaILIGEAKBGALAQQAxoKxoBUBaAUQHoBlAORAF0BfIA
U8: library part "ISO SI8641BA-C-IU", "General Purpose Digital Isolator 1000Vrms 4 Channel 150Mbps 35kV/µs CMTI 16-QSOP (0.154\", 3.90mm Width)", Supplier Part Number 1=SI8641BA-C-IU-ND, Manufacturer Part Number 1=SI8641BA-C-IU, Part Number="ISO SI8641BA-C-IU", Supplier 1=Digi-Key, Supplier URL 1=https://www.digikey.ca/en/products/detail/skyworks-solutions-inc/SI8641BA-C-IU/4988416
U9: Package="SOIC-8 Analog Devices", Supplier Part Number 1=ADM706SARZ-REELCT-ND, Check_prices=https://www.snapeda.com/parts/ADM706SARZ-REEL/Analog+Devices/view-part/?ref=eda, Digi-Key_Part_Number=ADM706SARZ-REELCT-ND, Manufacturer Part Number 1=ADM706SARZ-REEL, MF="Analog Devices", MP=ADM706SARZ-REEL, Part Number=ADM706SARZ-REEL, Purchase-URL=https://pricing.snapeda.com/search/part/ADM706SARZ-REEL/?ref=eda, SnapEDA_Link=https://www.snapeda.com/parts/ADM706SARZ-REEL/Analog+Devices/view-part/?ref=snap, Supplier 1=Digi-key, Supplier 2="Arrow Electronics", Supplier 3=Mouser, Supplier Part Number 2=ADM706SARZ-REEL, Supplier Part Number 3=584-ADM706SARZ-R, Supplier URL 1=https://www.digikey.com/en/products/detail/analog-devices-inc/ADM706SARZ-REEL/993649
U11: "RX TXRX MOD WIFI SURFACE MOUNT", Package="SMD-48 Espressif Systems", Supplier Part Number 1=1904-1029-1-ND, Availability=Warning, Check_prices=https://www.snapeda.com/parts/ESP32-PICO-D4/Espressif%20Systems/view-part/2762121/?ref=eda, Manufacturer Part Number 1=ESP32-PICO-D4, MF="Espressif Systems", MP=ESP32-PICO-D4, Part Number=ESP32-PICO-D4, Price=None, Purchase-URL=https://pricing.snapeda.com/search/part/ESP32-PICO-D4/?ref=eda, SnapEDA_Link=https://www.snapeda.com/parts/ESP32-PICO-D4/Espressif%20Systems/view-part/2762121/?ref=snap, Supplier 1=Digi-key, Supplier URL 1=https://www.digikey.com/en/products/detail/espressif-systems/ESP32-PICO-D4/9381722
3V3 5V 12V *DONE *FAULT AD_D AD_VCC BKBM CHARGE CHIP_G HVM_OUT HVM_RAW KICK_G PMS_SCL PMS_SDA VCC: Part Number="Test Point (Via)"
Q4: MFG=STMicroelectronics, Part Number=STD11N60DM2, Supplier=Digikey, Supplier PN=497-16925-1-ND
U2: Part Number=TPS54332DDA
U3: Part Number=LM22677TJE-5.0

## Via types
v1: diameter 23.62, hole 11.81, Signal 1 to Signal 2, tented both sides, 627 vias
v2: diameter 23.62, hole 11.81, Signal 1 to Signal 2, 61 vias
v3: diameter 181.1, hole 94.49, Signal 1 to Signal 2, tented both sides, 4 vias

## Nets (pads, with @x,y where several pads share a name; then routed paths per layer and width w, separated by ;. In a path a pad name is that pad's centre, name@x,y a point inside that pad or via, vN(x,y) a via of type N, cw(c..) or ccw(c..) an arc to the next point about the centre after c; other vN are vias at no path point)
3V3: 3V3.1 C16.2 C36.2 C37.1 C45.2 C53.2 C59.2 C60.2 C61.2 C62.2 C63.2 C64.2 C65.2 C66.2 J6.1 J11.4 R5.2 R6.2 R16.2 R17.1 R18.1 R19.2 R34.1 R35.1 R57.1 R61.1 R69.2 R70.2 R74.1 U4.2 U6.5 U8.16 U9.2 U11.1 U11.3 U11.4 U11.19 U11.26 U11.37 U11.43 U11.46 | length 2722.6
  Signal 1 w5: R16.2@3424.19,4302.79 v1(3452.86,4302.81)
  Signal 1 w8: v1(3817.45,4242.96) 3818.36,4243.88 3852.13,4243.88 R17.1@3853.04,4244.79 ; v1(3845.93,4137.39) 3845.99,4137.33 C62.2@3845.99,4113.72 ; R57.1@5216.39,4671.01 R18.1@5216.39,4723.12
  Signal 1 w10: v1(3577.83,3749.25) 3577.8,3707.15 3577.19,3706.54 3577.19,3648.67 C37.1@3576.6,3648.08 3578.4,3646.28 3578.4,3574.36 U6.5@3580.21,3572.55 ; v1(3758.93,3934.33) 3759.99,3935.39 3779.67,3935.39 3786.49,3942.2 C61.2@3786.49,3946.14 3786.49,3950.08 3793.3,3956.89 3797.23,3956.89 3818.01,3977.66 U11.43@3896.61,3977.66 ; U8.16@3781.03,4458.5 3781.77,4459.24 3828.01,4459.24 3833.87,4465.1 3833.87,4467.2 3837.47,4470.81 C45.2@3841.41,4470.81 ; v1(3814.72,3762.01) v1@3814.88,3762.17 ; C64.2@3816.1,3867.64 3814.88,3866.42 v1@3814.88,3762.17 ; C64.2@3817.1,3867.64 3817.1,3897.2 3838.52,3918.61 U11.46@3896.61,3918.61 ; C62.2@3835.08,4105.74 3839.02,4105.74 3848.98,4095.77 U11.37@3888.82,4095.77 ; C59.2@3856.26,3762.17 v1@3814.88,3762.17 ; C59.2@3856.26,3762.32 3857.02,3763.08 C66.2@3904.95,3763.08 ; v1(3866.24,4488.18) 3858.58,4480.53 C45.2@3856.98,4480.53 ; U11.37@3894.64,4095.77 U11.37@3896.61,4095.77 ; C66.2@3909.65,3762.32 3905.71,3762.32 C66.2@3904.95,3763.08 ; U11.1@3916.89,3858.96 3916.89,3839.28 3915,3837.39 3905.42,3837.39 3897.84,3829.81 3897.84,3774.13 3898.9,3773.07 3898.9,3769.14 C66.2@3904.95,3763.08 ; U11.3@3956.26,3850.1 3975.94,3850.1 3975.88,3850.04 3975.88,3781.69 3968.77,3774.58 3968.77,3770.65 3961.96,3763.84 C65.2@3958.03,3763.84 3957.27,3763.08 C66.2@3904.95,3763.08 ; U11.26@4113.74,4124.91 4113.74,4162.48 4139.06,4187.8 4145.14,4187.8 C63.2@4151.95,4194.61 ; v1(4156.84,4165.61) 4156.84,4189.72 C63.2@4151.95,4194.61 ; U11.19@4162.55,3997.35 4227.27,3997.35 C60.2@4228.97,3999.05 ; R61.1@4195.16,3673.05 4195.65,3673.54 v1(4226.47,3673.54) ; C60.2@4240.16,4005.08 4240.16,4009.02 4255.14,4024 4255.14,4031.58 v1(4257.75,4034.19) 4261.43,4034.19 4282.85,4055.6 4375.17,4055.6 4375.65,4055.13 4384.96,4055.13 4392.13,4047.96 4417.02,4047.96 R5.2@4418.67,4046.31 ; R70.2@4255.68,4212.85 4170.19,4212.85 4162.7,4205.36 4162.7,4201.42 4155.89,4194.61 C63.2@4151.95,4194.61 ; R57.1@5216.39,4671.01 5217.03,4671.65 v1(5246.13,4671.65) 5250.92,4671.65 v1@5251.56,4671.01 ; C45.2@3856.98,4480.53 3855.37,4480.53 C45.2@3844.62,4474.02 3850.47,4474.02 C45.2@3856.98,4480.53
  Signal 1 w15: R35.1@4240.04,3872.9 4241.02,3873.87 4282.12,3873.87 4288.67,3867.33 v1(4291,3867.33) 4293.33,3867.33 4305.71,3854.95 R34.1@4345.12,3854.95
  Signal 1 w20: v1(3035.33,4596.29) 3035.72,4596.68 3067.55,4596.68 R19.2@3067.94,4597.06 ; J6.1@3653.72,2857.58 3745.89,2949.76 R74.1@3745.89,3085.57 ; v1(5496.04,4295.61) 5496.09,4295.66 R69.2@5525.15,4295.71 R69.2@5525.15,4295.71
  Power w20: 4836.82,3872.8 4862.98,3872.8 v1(4863.32,3873.14)
  Signal 2 w20: v1(4863.32,3873.14) 4863.58,3872.89 5063.19,3872.89 C53.2@5063.45,3872.63 5063.45,3860.82 5080.12,3844.14 5189.09,3844.14 5214.91,3869.97 U9.2@5214.91,3916.19
  other v1: 5568.74,4408.15 5613.87,4408.15 5659.6,4408.15 5705.94,4408.15 5753.5,4408.15 5568.74,4442.8 5613.87,4442.8 5659.6,4442.8 5705.94,4442.8 5753.5,4442.8
3V3_JETSON: C44.2 J2.5 R73.1 U8.1 | length 953
  Signal 1 w10: R73.1@2965.87,4535.47 3231.45,4535.47 3260.42,4564.45 3260.42,4658.84 3308.55,4706.97 3479.78,4706.97 3507.93,4678.82 J2.5@3507.93,4594.6
  Signal 1 w20: J2.5@3507.93,4594.6 3507.93,4518.41 3519.64,4506.7 3563.68,4506.7 3563.68,4505.64 C44.2@3567.3,4502.02 ; U8.1@3565.49,4459.94 C44.2@3565.49,4505.68
5V: 5V.1 C14.POS C15.1 C46.2 C47.2 C51.2 C52.2 C68.2 C69.2 C70.POS C71.POS J4.2 J5.4 J5.5 L2.2 U3.6 U4.3 | length 3455
  Signal 1 w10: C51.2@3937.13,4462.45 C52.2@3975.9,4462.45
  Signal 1 w15: U3.6@6111,3819.82 v1(6111,3912.92)
  Ground w15: 5V.1@6018.53,4584.41 5V.1@6023.31,4589.19
  Power w15: 6009.56,4269 6009.56,4014.35 v1(6111,3912.92)
  Power w100: 3682.68,4559.09 3878.74,4559.09 3969.58,4559.09 4049.69,4559.09 4157.65,4451.13 5360.6,4451.13 5457.52,4548.05 5915.79,4548.05 5916.26,4548.52
  Power w175: 6408.34,4633.93 6725.32,4950.92 6820.46,5046.05 6820.46,5062.89
  other v1: 6313.31,4266.05 6363.31,4266.05 6406.73,4266.75 6263.31,4316.05 6313.31,4316.05 6363.31,4316.05 6406.73,4316.75 6263.31,4366.05 6313.31,4366.05 6363.31,4366.05 6406.73,4366.75 6262.35,4410.81 6312.35,4410.81 6362.35,4410.81 6345.14,4480.57 6392.7,4480.57 6105.96,4560.41 6153.52,4560.41 6698.29,4977.96 6748.29,4977.96 6798.29,4977.96 6848.29,4977.96 6698.29,5027.96 6748.29,5027.96 6798.29,5027.96 6848.29,5027.96 6898.29,5027.96 6748.29,5077.96 6798.29,5077.96 6848.29,5077.96 6898.29,5077.96 6798.29,5127.96 6848.29,5127.96
  other v2: 6228.07,4524.73 6278.85,4524.73 3704.37,4525.79 3828.12,4526.16 3664.55,4526.84 3782.86,4528.95 3739.62,4559.83 3739.24,4596.2
5V-SW: C9.2 D4.C L2.1 U3.1
12V: 12V.1 C6.POS C10.2 C12.2 C17.2 C21.2 C34.1 C35.2 C39.2 C40.2 J8.2 L1.2 R9.2 R21.2 R22.2 U5.11 U5.12 U7.6 | length 4970.8
  Signal 1 w15: C39.2@4497.82,3429.69 4498.47,3429.03 4527.6,3429.03 v1(4528.26,3428.38) 4528.95,3429.08 4560.6,3429.08 C40.2@4561.3,3429.77 ; v1(5694.3,2705.93) 5694.65,2706.28 5694.65,2746.1 R9.2@5695.01,2746.46
  Signal 1 w25: U7.6@4303.36,3330.08 U7.6@4303.95,3330.67
  Signal 1 w45: v1(5367.32,3848.3) 5367.89,3848.87 v1(5367.89,3880.66) v1(5367.89,3913.82) 5367.89,4354.72 v1(5376.11,4362.93)
  Signal 1 w50: 6478.88,3126.24 6481.03,3126.24 6481.89,3127.09 6587.93,3127.09 6663.54,3051.48 6837.1,3051.48 6949.4,3051.48 R22.2@7035.92,3051.48 ; R22.2@7039.84,3054.77 R21.2@7039.84,3153.74